# Allegro board S071AA-0413-20260427.brd (continued)
## Nets (continued)
UT4_UW08: UTL4.A07
UT4_UW09: UTL4.B08
UT4_UW10: UTL4.A09
UT4_UW11: UTL4.B10
UT4_UW12: UTL4.A11
UT4_UW13: UTL4.B12
UT4_UW14: UTL4.A13
UT4_UW15: UTL4.B14
N18284685: KB2-4.1(TP) KS2.4
N18284703: LDB2.1(A) LRB2.2
N18284711: KB2-3.1(TP) KS2.3
N18284713: KB2-6.1(TP) KS2.6
N18284719: KB2-7.1(TP) KS2.7
N18284723: LDB3.1(A) LRB3.2
N18284731: KB1-4.1(TP) KS1.4
N18284735: KB1-3.1(TP) KS1.3
N18284737: KB1-6.1(TP) KS1.6
N18284739: KB1-7.1(TP) KS1.7
N18284747: KB1-2.1(TP) KS1.2
N18284749: KB1-8.1(TP) KS1.8
N18284751: KB2-2.1(TP) KS2.2
N18284753: KB2-8.1(TP) KS2.8
N18285026: LDB4.1(A) LRB4.2
N18285036: LDB5.1(A) LRB5.2
N18285067: KB4-4.1(TP) KS4.4
N18285069: KB4-5.1(TP) KS4.5
N18285071: KB4-8.1(TP) KS4.8
N18285089: KB3-8.1(TP) KS3.8
N18285091: KB3-4.1(TP) KS3.4
N18285093: KB3-5.1(TP) KS3.5
N18285182: LDB1.1(A) LRB1.1
N22954976: LD15.1(A) R15.1
N22955016: LD16.1(A) R16.1
N22955678: LD1.1(A) R1.1
N22955710: LD2.1(A) R2.1
N22955758: LD3.1(A) R3.1
N22955802: LD4.1(A) R4.1
N22955842: LD5.1(A) R5.1
N22955878: LD6.1(A) R6.1
N22955926: LD7.1(A) R7.1
N22955970: LD8.1(A) R8.1
N22956024: LD9.1(A) R9.1
N22956064: LD10.1(A) R10.1
N22956104: LD11.1(A) R11.1
N22956144: LD12.1(A) R12.1
N22956184: LD13.1(A) R13.1
N22956224: LD14.1(A) R14.1
N22963164: LD19.1(A) R19.1
N22963523: LD20.1(A) R20.1
N22963871: LD21.1(A) R21.1
N22964216: LD22.1(A) R22.1
N22964605: LD23.1(A) R23.1
N22964637: LD24.1(A) R24.1
N22965490: LD17.1(A) R17.1
N22965526: LD18.1(A) R18.1
N22974884: LD25.1(A) R25.1
N22974900: LD26.1(A) R26.1
N22974958: LD29.1(A) R29.1
N22975006: LD27.1(A) R27.1
N22975038: LD28.1(A) R28.1
N22975098: LD30.1(A) R30.1
N22976209: LD31.1(A) R31.1
N22976245: LD32.1(A) R32.1
N22984719: LD33.1(A) R33.1
N22984755: LD34.1(A) R34.1
N22984791: LD35.1(A) R35.1
N22984831: LD36.1(A) R36.1
N22984875: LD37.1(A) R37.1
N22984899: LD38.1(A) R38.1
N22984935: LD39.1(A) R39.1
N22984991: LD40.1(A) R40.1
N22985097: LD41.1(A) R41.1
N22985125: LD42.1(A) R42.1
N22988922: LD43.1(A) R43.1
N22989162: LD44.1(A) R44.1
N23040624: LD45.1(A) R45.1
N23040666: K45.4 OSC1.3(OUT)
N23043619: R123.1 R124.1 SH3.2
N23043647: R127.1 R128.1 SH4.2
N23050554: LD46.1(A) R46.1
N23057413: R129.1 R130.1 SH5.2
N23057441: R133.1 R134.1 SH6.2
N23058541: R135.1 R136.1 SH7.2
N23058569: R139.1 R140.1 SH8.2
N23059275: R141.1 R142.1 SH9.2
N23059303: R145.1 R146.1 SH10.2
N23060072: R147.1 R148.1 SH11.2
N23060100: R151.1 R152.1 SH12.2
N23060930: R153.1 R154.1 SH13.2
N23060958: R157.1 R158.1 SH14.2
N23062789: R159.1 R160.1 SH15.2
N23062817: R163.1 R164.1 SH16.2

Pads without a net: BGA289-12X12-P0.65 1; CSDPS225 A17 B17 C17 D17; CSDPS226 A17 D17; CSDPS229 A17 B17 C17 D17; CSDPS425 A17 B17 C17 D17; CSDPS426 A17 D17; CSDPS429 A17 B17 C17 D17; D101 17 A17 B17; D102 17 A17 B17; D103 17 A17 B17; D104 17 A17 B17; D105 17 A17 B17; D106 17 A17 B17; D107 17 A17 B17; D108 17 A17 B17; D109 17 A17 B17; D110 17 A17 B17; D111 17 A17 B17; D112 17 A17 B17; D113 17 A17 B17; D114 17 A17 B17; D115 17 A17 B17; D116 17 A17 B17; D117 17 A17 B17; D118 17 A17 B17; D119 17 A17 B17; D120 17 A17 B17; D121 17 A17 B17; D122 17 A17 B17; D123 17 A17 B17; D124 17 A17 B17; D227 01 02 03 05 06 07 08 09 10 11 12 13 14 15 16 17; D228 01 02 03 05 06 07 08 09 10 11 12 13 14 15 16 17; D301 01 02 03 04 05 06 07 08 09 10 11 12 13 14 15 16 17 A1 A2 A3 A4 A5 A6 A7 A8 A9 A10 A11 A12 A13 A14 A15 A16 A17 B1 B2 B3 B4 B5 B6 B7 B8 B9 B10 B11 B12 B13 B14 B15 B16 B17; D302 01 02 03 04 05 06 07 08 09 10 11 12 13 14 15 16 17 A1 A2 A3 A4 A5 A6 A7 A8 A9 A10 A11 A12 A13 A14 A15 A16 A17 B1 B2 B3 B4 B5 B6 B7 B8 B9 B10 B11 B12 B13 B14 B15 B16 B17; D303 01 02 03 04 05 06 07 08 09 10 11 12 13 14 15 16 17 A1 A2 A3 A4 A5 A6 A7 A8 A9 A10 A11 A12 A13 A14 A15 A16 A17 B1 B2 B3 B4 B5 B6 B7 B8 B9 B10 B11 B12 B13 B14 B15 B16 B17; D304 01 02 03 04 05 06 07 08 09 10 11 12 13 14 15 16 17 A1 A2 A3 A4 A5 A6 A7 A8 A9 A10 A11 A12 A13 A14 A15 A16 A17 B1 B2 B3 B4 B5 B6 B7 B8 B9 B10 B11 B12 B13 B14 B15 B16 B17; D305 01 02 03 04 05 06 07 08 09 10 11 12 13 14 15 16 17 A1 A2 A3 A4 A5 A6 A7 A8 A9 A10 A11 A12 A13 A14 A15 A16 A17 B1 B2 B3 B4 B5 B6 B7 B8 B9 B10 B11 B12 B13 B14 B15 B16 B17; D306 01 02 03 04 05 06 07 08 09 10 11 12 13 14 15 16 17 A1 A2 A3 A4 A5 A6 A7 A8 A9 A10 A11 A12 A13 A14 A15 A16 A17 B1 B2 B3 B4 B5 B6 B7 B8 B9 B10 B11 B12 B13 B14 B15 B16 B17; D307 01 02 03 04 05 06 07 08 09 10 11 12 13 14 15 16 17 A1 A2 A3 A4 A5 A6 A7 A8 A9 A10 A11 A12 A13 A14 A15 A16 A17 B1 B2 B3 B4 B5 B6 B7 B8 B9 B10 B11 B12 B13 B14 B15 B16 B17; D308 01 02 03 04 05 06 07 08 09 10 11 12 13 14 15 16 17 A1 A2 A3 A4 A5 A6 A7 A8 A9 A10 A11 A12 A13 A14 A15 A16 A17 B1 B2 B3 B4 B5 B6 B7 B8 B9 B10 B11 B12 B13 B14 B15 B16 B17; D309 01 02 03 04 05 06 07 08 09 10 11 12 13 14 15 16 17 A1 A2 A3 A4 A5 A6 A7 A8 A9 A10 A11 A12 A13 A14 A15 A16 A17 B1 B2 B3 B4 B5 B6 B7 B8 B9 B10 B11 B12 B13 B14 B15 B16 B17; D310 01 02 03 04 05 06 07 08 09 10 11 12 13 14 15 16 17 A1 A2 A3 A4 A5 A6 A7 A8 A9 A10 A11 A12 A13 A14 A15 A16 A17 B1 B2 B3 B4 B5 B6 B7 B8 B9 B10 B11 B12 B13 B14 B15 B16 B17; D311 01 02 03 04 05 06 07 08 09 10 11 12 13 14 15 16 17 A1 A2 A3 A4 A5 A6 A7 A8 A9 A10 A11 A12 A13 A14 A15 A16 A17 B1 B2 B3 B4 B5 B6 B7 B8 B9 B10 B11 B12 B13 B14 B15 B16 B17; D312 01 02 03 04 05 06 07 08 09 10 11 12 13 14 15 16 17 A1 A2 A3 A4 A5 A6 A7 A8 A9 A10 A11 A12 A13 A14 A15 A16 A17 B1 B2 B3 B4 B5 B6 B7 B8 B9 B10 B11 B12 B13 B14 B15 B16 B17; D313 01 02 03 04 05 06 07 08 09 10 11 12 13 14 15 16 17 A1 A2 A3 A4 A5 A6 A7 A8 A9 A10 A11 A12 A13 A14 A15 A16 A17 B1 B2 B3 B4 B5 B6 B7 B8 B9 B10 B11 B12 B13 B14 B15 B16 B17; D314 01 02 03 04 05 06 07 08 09 10 11 12 13 14 15 16 17 A1 A2 A3 A4 A5 A6 A7 A8 A9 A10 A11 A12 A13 A14 A15 A16 A17 B1 B2 B3 B4 B5 B6 B7 B8 B9 B10 B11 B12 B13 B14 B15 B16 B17; D315 01 02 03 04 05 06 07 08 09 10 11 12 13 14 15 16 17 A1 A2 A3 A4 A5 A6 A7 A8 A9 A10 A11 A12 A13 A14 A15 A16 A17 B1 B2 B3 B4 B5 B6 B7 B8 B9 B10 B11 B12 B13 B14 B15 B16 B17; D316 01 02 03 04 05 06 07 08 09 10 11 12 13 14 15 16 17 A1 A2 A3 A4 A5 A6 A7 A8 A9 A10 A11 A12 A13 A14 A15 A16 A17 B1 B2 B3 B4 B5 B6 B7 B8 B9 B10 B11 B12 B13 B14 B15 B16 B17; D317 01 02 03 04 05 06 07 08 09 10 11 12 13 14 15 16 17 A1 A2 A3 A4 A5 A6 A7 A8 A9 A10 A11 A12 A13 A14 A15 A16 A17 B1 B2 B3 B4 B5 B6 B7 B8 B9 B10 B11 B12 B13 B14 B15 B16 B17; D318 01 02 03 04 05 06 07 08 09 10 11 12 13 14 15 16 17 A1 A2 A3 A4 A5 A6 A7 A8 A9 A10 A11 A12 A13 A14 A15 A16 A17 B1 B2 B3 B4 B5 B6 B7 B8 B9 B10 B11 B12 B13 B14 B15 B16 B17; D319 01 02 03 04 05 06 07 08 09 10 11 12 13 14 15 16 17 A1 A2 A3 A4 A5 A6 A7 A8 A9 A10 A11 A12 A13 A14 A15 A16 A17 B1 B2 B3 B4 B5 B6 B7 B8 B9 B10 B11 B12 B13 B14 B15 B16 B17; D320 01 02 03 04 05 06 07 08 09 10 11 12 13 14 15 16 17 A1 A2 A3 A4 A5 A6 A7 A8 A9 A10 A11 A12 A13 A14 A15 A16 A17 B1 B2 B3 B4 B5 B6 B7 B8 B9 B10 B11 B12 B13 B14 B15 B16 B17; D321 01 02 03 04 05 06 07 08 09 10 11 12 13 14 15 16 17 A1 A2 A3 A4 A5 A6 A7 A8 A9 A10 A11 A12 A13 A14 A15 A16 A17 B1 B2 B3 B4 B5 B6 B7 B8 B9 B10 B11 B12 B13 B14 B15 B16 B17; D322 01 02 03 04 05 06 07 08 09 10 11 12 13 14 15 16 17 A1 A2 A3 A4 A5 A6 A7 A8 A9 A10 A11 A12 A13 A14 A15 A16 A17 B1 B2 B3 B4 B5 B6 B7 B8 B9 B10 B11 B12 B13 B14 B15 B16 B17; D323 01 02 03 04 05 06 07 08 09 10 11 12 13 14 15 16 17 A1 A2 A3 A4 A5 A6 A7 A8 A9 A10 A11 A12 A13 A14 A15 A16 A17 B1 B2 B3 B4 B5 B6 B7 B8 B9 B10 B11 B12 B13 B14 B15 B16 B17; D324 01 02 03 04 05 06 07 08 09 10 11 12 13 14 15 16 17 A1 A2 A3 A4 A5 A6 A7 A8 A9 A10 A11 A12 A13 A14 A15 A16 A17 B1 B2 B3 B4 B5 B6 B7 B8 B9 B10 B11 B12 B13 B14 B15 B16 B17; D427 01 02 03 04 05 06 07 08 09 10 11 12 13 14 15 16 17; D428 01 02 03 04 05 06 07 08 09 10 11 12 13 14 15 16 17; DPS1 A04 A08 A10 A14 B04 B08 B10 B14 C04 C08 C10 C14; DPS2 A04 A08 A10 A14 B04 B08 B10 B14 C04 C08 C10 C14; DPS3 A04 A08 A10 A14 B04 B08 B10 B14 C04 C08 C10 C14; DPS8 A04 A08 A10 A14 B04 B08 B10 B14 C04 C08 C10 C14; FD1 1; FD2 1; FD3 1; FD4 1; FD5 1; FD6 1; FD7 1; FD8 1; FD9 1; FD10 1; FD11 1; FD12 1; FD13 1; FD14 1; FD15 1; FD16 1; FSS0AS071A 1; JG-250905AA011 1; K1 2; K2 2; K3 2; K4 2; K5 2; K6 2; K7 2; K8 2; K9 2; K10 2; K11 2; K12 2; K13 2; K14 2; K15 2; K16 2; K17 2; K18 2; K19 2; K20 2; K21 2; K22 2; K23 2; K24 2; K25 2; K26 2; K27 2; K28 2; K29 2; K30 2; K31 2; K32 2; K33 2; K34 2; K35 2; K36 2; K37 2; K38 2; K39 2; K40 2; K41 2; K42 2; K43 2; K44 2; K45 5 6 7; K46 2 7; KS3 2; KS4 2; LOGO1 1; LOGO2 1; M5 1; OSC1 1; SCREW1 NUT19 NUT20 NUT21 NUT22; SITE1 NUT1 NUT2 NUT3 NUT4 NUT5 NUT6 NUT7 NUT8; UNK038FY-S135BB14Q-A100 1; UNK980FY-S071AA-1AH 1; UTL1 A17 B17; UTL2 A17 B17; UTL3 A17 B17; UTL4 A17 B17

## Via types
v1: diameter 0.61, hole 0.305, TOP to BOTTOM, 1094 vias
v2: diameter 0.305, hole 0.152, TOP to BOTTOM, 358 vias

## Routing (per net, layer and track width the routed paths; a pad name or vN(x,y) marks a point on that pad's centre or on a via; arc(x,y) is an arc through that point)
AGND: length 94144
  TOP w0.152: CSDPS225.C11 105.48,330.2 ; CSDPS225.C11 104.41,329.13 ; CSDPS225.C11 104.41,331.27 ; CSDPS225.C11 103.34,330.2 ; 177,391.16 D116.B11 ; D116.B11 178.07,392.23 ; D116.B11 178.07,390.09 ; D116.B11 179.14,391.16 ; D120.A13 45.99,34.09 ; D120.A13 44.92,33.02 ; D120.A13 47.06,33.02 ; D120.A13 45.99,31.95 ; 42.38,393.7 D232.A6 ; D232.A6 43.45,392.63 ; D232.A6 43.45,394.77 ; D232.A6 44.52,393.7 ; UHC230.G4_2 17.69,355.29 ; UHC230.G4_2 16.88,356.1 ; UHC230.G4_2 16.07,355.29 ; UHC230.G4_2 16.88,354.48 ; D113.B7 189.3,330.2 ; D113.B7 187.16,330.2 ; D113.B7 188.23,329.13 ; D113.B7 188.23,331.27 ; D115.A9 184.22,375.92 ; D115.A9 183.15,376.99 ; D115.A9 183.15,374.85 ; D115.A9 182.08,375.92 ; 16.98,55.88 D119.A2 ; D119.A2 18.05,56.95 ; D119.A2 18.05,54.81 ; D119.A2 19.12,55.88 ; D428.B15 95.32,401.32 ; D428.B15 94.25,402.39 ; D428.B15 93.18,401.32 ; D428.B15 94.25,400.25 ; 14.58,364.64 UHC430.G1_3 ; UHC430.G1_3 13.77,365.45 ; UHC430.G1_3 14.58,366.26 ; UHC430.G1_3 15.39,365.45 ; CSDPS226.B10 106.95,354.13 ; CSDPS226.B10 105.88,353.06 ; CSDPS226.B10 108.02,353.06 ; CSDPS226.B10 106.95,351.99 ; KS4.7 41.77,156.72 ; KS4.7 40.66,157.84 ; KS4.7 40.66,155.6 ; KS4.7 39.54,156.72 ; 258.28,347.98 D110.B8 ; D110.B8 259.35,346.91 ; D110.B8 260.42,347.98 ; D110.B8 259.35,349.05 ; 253.2,96.52 D105.A8 ; D105.A8 254.27,95.45 ; D105.A8 255.34,96.52 ; D105.A8 254.27,97.59 ; D228.B17 89.17,392.23 ; D228.B17 88.1,391.16 ; D228.B17 90.24,391.16 ; D228.B17 89.17,390.09 ; 88.1,33.02 D124.A1 ; D124.A1 89.17,31.95 ; D124.A1 89.17,34.09 ; D124.A1 90.24,33.02 ; 200.93,59.89 D103.B16 ; D103.B16 199.86,60.96 ; D103.B16 202,60.96 ; D103.B16 200.93,62.03 ; D107.A10 259.35,56.95 ; D107.A10 259.35,54.81 ; D107.A10 258.28,55.88 ; D107.A10 260.42,55.88 ; 183.15,37.03 D104.B9 ; D104.B9 182.08,38.1 ; D104.B9 184.22,38.1 ; D104.B9 183.15,39.17 ; CSDPS225.C1 129.81,331.27 ; CSDPS225.C1 128.74,330.2 ; CSDPS225.C1 130.88,330.2 ; CSDPS225.C1 129.81,329.13 ; D102.A15 198.39,74.73 ; D102.A15 199.46,73.66 ; D102.A15 197.32,73.66 ; D102.A15 198.39,72.59 ; D120.B6 28.21,41.71 ; D120.B6 27.14,40.64 ; D120.B6 29.28,40.64 ; D120.B6 28.21,39.57 ; D112.A12 250.26,393.7 ; D112.A12 249.19,392.63 ; D112.A12 249.19,394.77 ; D112.A12 248.12,393.7 ; D117.A8 34.36,96.52 ; D117.A8 33.29,97.59 ; D117.A8 33.29,95.45 ; D117.A8 32.22,96.52 ; 109.49,390.09 D228.B9 ; D228.B9 109.49,392.23 ; D228.B9 108.42,391.16 ; D228.B9 110.56,391.16 ; D114.A6 191.84,353.06 ; D114.A6 190.77,351.99 ; D114.A6 190.77,354.13 ; D114.A6 189.7,353.06 ; 16.98,373.38 D231.A16 ; D231.A16 19.12,373.38 ; D231.A16 18.05,372.31 ; D231.A16 18.05,374.45 ; D231.A7 40.91,376.99 ; D231.A7 39.84,375.92 ; D231.A7 41.98,375.92 ; D231.A7 40.91,374.85 ; 39.84,78.74 D118.B11 ; D118.B11 41.98,78.74 ; D118.B11 40.91,77.67 ; D118.B11 40.91,79.81 ; 117.11,80.21 D122.B12 ; D122.B12 117.11,82.35 ; D122.B12 116.04,81.28 ; D122.B12 118.18,81.28 ; D102.B14 196.92,81.28 ; D102.B14 194.78,81.28 ; D102.B14 195.85,80.21 ; D102.B14 195.85,82.35 ; D228.A1 130.88,396.24 ; D228.A1 128.74,396.24 ; D228.A1 129.81,395.17 ; D228.A1 129.81,397.31 ; D113.B3 198.39,331.27 ; D113.B3 198.39,329.13 ; D113.B3 197.32,330.2 ; D113.B3 199.46,330.2 ; D112.B3 273.12,391.16 ; D112.B3 270.98,391.16 ; D112.B3 272.05,390.09 ; D112.B3 272.05,392.23 ; D120.A15 52.14,33.02 ; D120.A15 51.07,31.95 ; D120.A15 51.07,34.09 ; D120.A15 50,33.02 ; D103.A7 178.07,54.41 ; D103.A7 179.14,53.34 ; D103.A7 178.07,52.27 ; D103.A7 177,53.34 ; 23.13,397.71 D432.B14 ; D432.B14 22.06,398.78 ; D432.B14 23.13,399.85 ; D432.B14 24.2,398.78 ; 18.05,59.89 D119.B2 ; D119.B2 16.98,60.96 ; D119.B2 18.05,62.03 ; D119.B2 19.12,60.96 ; 192.24,391.16 D116.B5 ; D116.B5 194.38,391.16 ; D116.B5 193.31,392.23 ; D116.B5 193.31,390.09 ; UHC430.G2_1 48.98,366.26 ; UHC430.G2_1 48.98,364.64 ; UHC430.G2_1 49.79,365.45 ; UHC430.G2_1 48.17,365.45 ; D428.A8 112.03,404.93 ; D428.A8 110.96,403.86 ; D428.A8 113.1,403.86 ; D428.A8 112.03,402.79 ; 19.52,396.24 D232.A15 ; D232.A15 21.66,396.24 ; D232.A15 20.59,395.17 ; D232.A15 20.59,397.31 ; D102.B7 179.14,78.74 ; D102.B7 177,78.74 ; D102.B7 178.07,79.81 ; D102.B7 178.07,77.67 ; D104.B6 176.6,40.64 ; D104.B6 175.53,39.57 ; D104.B6 175.53,41.71 ; D104.B6 174.46,40.64 ; 119.65,52.27 D123.A13 ; D123.A13 118.58,53.34 ; D123.A13 119.65,54.41 ; D123.A13 120.72,53.34 ; D103.A2 165.37,56.95 ; D103.A2 165.37,54.81 ; D103.A2 164.3,55.88 ; D103.A2 166.44,55.88 ; D427.A17 90.24,386.08 ; D427.A17 89.17,385.01 ; D427.A17 88.1,386.08 ; D427.A17 89.17,387.15 ; D432.B16 18.05,399.85 ; D432.B16 19.12,398.78 ; D432.B16 18.05,397.71 ; D432.B16 16.98,398.78 ; D101.B12 191.84,101.6 ; D101.B12 189.7,101.6 ; D101.B12 190.77,100.53 ; D101.B12 190.77,102.67 ; 44.92,391.16 D232.B5 ; D232.B5 47.06,391.16 ; D232.B5 45.99,390.09 ; D232.B5 45.99,392.23 ; D124.B10 113.1,40.64 ; D124.B10 112.03,39.57 ; D124.B10 112.03,41.71 ; D124.B10 110.96,40.64 ; D105.A5 246.65,95.05 ; D105.A5 246.65,92.91 ; D105.A5 247.72,93.98 ; D105.A5 245.58,93.98 ; D104.A15 199.46,33.02 ; D104.A15 197.32,33.02 ; D104.A15 198.39,31.95 ; D104.A15 198.39,34.09 ; D231.A2 53.61,374.45 ; D231.A2 54.68,373.38 ; D231.A2 53.61,372.31 ; D231.A2 52.54,373.38 ; 109.49,57.35 D123.B9 ; D123.B9 109.49,59.49 ; D123.B9 110.56,58.42 ; D123.B9 108.42,58.42 ; 24.6,78.74 D118.B5 ; D118.B5 25.67,79.81 ; D118.B5 25.67,77.67 ; D118.B5 26.74,78.74 ; 116.04,398.78 D428.B6 ; D428.B6 117.11,397.71 ; D428.B6 118.18,398.78 ; D428.B6 117.11,399.85 ; D108.B15 273.12,38.1 ; D108.B15 272.05,39.17 ; D108.B15 272.05,37.03 ; D108.B15 270.98,38.1 ; 98.26,391.16 D228.B13 ; D228.B13 99.33,392.23 ; D228.B13 99.33,390.09 ; D228.B13 100.4,391.16 ; KS3.7 40.66,150.22 ; KS3.7 40.66,147.98 ; KS3.7 41.77,149.1 ; KS3.7 39.54,149.1 ; 103.34,99.06 D121.B7 ; D121.B7 104.41,100.13 ; D121.B7 105.48,99.06 ; D121.B7 104.41,97.99 ; D112.A14 245.18,393.7 ; D112.A14 244.11,394.77 ; D112.A14 244.11,392.63 ; D112.A14 243.04,393.7 ; 198.39,354.53 D114.A3 ; D114.A3 197.32,355.6 ; D114.A3 198.39,356.67 ; D114.A3 199.46,355.6 ; D227.B13 100.4,370.84 ; D227.B13 98.26,370.84 ; D227.B13 99.33,369.77 ; D227.B13 99.33,371.91 ; 100.8,378.46 D427.B12 ; D427.B12 101.87,377.39 ; D427.B12 102.94,378.46 ; D427.B12 101.87,379.53 ; 113.5,13.97 DPS3.A11 ; DPS3.A11 114.57,15.04 ; DPS3.A11 114.57,12.5 113.9,11.83 SB14.1 ; DPS3.A11 115.64,13.97 ; UHC230.G3_6 48.98,352.6 ; UHC230.G3_6 48.98,350.98 ; UHC230.G3_6 49.79,351.79 ; UHC230.G3_6 48.17,351.79 ; 251.73,369.77 D111.B11 ; D111.B11 252.8,370.84 ; D111.B11 251.73,371.91 ; D111.B11 250.66,370.84 ; CSDPS429.C1 57.22,340.36 ; CSDPS429.C1 55.08,340.36 ; CSDPS429.C1 56.15,341.43 ; CSDPS429.C1 56.15,339.29 ; D124.B15 124.73,39.17 ; D124.B15 124.73,37.03 ; D124.B15 123.66,38.1 ; D124.B15 125.8,38.1 ; D117.B6 28.21,102.67 ; D117.B6 28.21,100.53 ; D117.B6 29.28,101.6 ; D117.B6 27.14,101.6 ; D432.B15 20.59,402.39 ; D432.B15 20.59,400.25 ; D432.B15 21.66,401.32 ; D432.B15 19.52,401.32 ; D118.B4 23.13,82.35 ; D118.B4 24.2,81.28 ; D118.B4 23.13,80.21 ; D118.B4 22.06,81.28 ; 177,355.6 D114.A11 ; D114.A11 178.07,354.53 ; D114.A11 178.07,356.67 ; D114.A11 179.14,355.6 ; D122.B16 128.34,81.28 ; D122.B16 127.27,80.21 ; D122.B16 126.2,81.28 ; D122.B16 127.27,82.35 ; UHC430.G2_9 48.64,360.2 ; UHC430.G2_9 47.02,360.2 ; UHC430.G2_9 47.83,361.01 ; UHC430.G2_9 47.83,359.39 ; 50,370.84 D231.B3 ; D231.B3 51.07,371.91 ; D231.B3 52.14,370.84 ; D231.B3 51.07,369.77 ; D432.A12 28.21,404.93 ; D432.A12 27.14,403.86 ; D432.A12 29.28,403.86 ; D432.A12 28.21,402.79 ; D114.B6 190.77,349.05 ; D114.B6 190.77,346.91 ; D114.B6 191.84,347.98 ; D114.B6 189.7,347.98 ; 185.69,59.89 D103.B10 ; D103.B10 186.76,60.96 ; D103.B10 184.62,60.96 ; D103.B10 185.69,62.03 ; 35.83,405.33 D432.A9 ; D432.A9 36.9,406.4 ; D432.A9 34.76,406.4 ; D432.A9 35.83,407.47 ; 126.2,101.6 D121.B16 ; D121.B16 127.27,100.53 ; D121.B16 127.27,102.67 ; D121.B16 128.34,101.6 ; D114.A2 200.93,354.13 ; D114.A2 200.93,351.99 ; D114.A2 199.86,353.06 ; D114.A2 202,353.06 ; 264.43,75.13 D106.A12 ; D106.A12 265.5,76.2 ; D106.A12 263.36,76.2 ; D106.A12 264.43,77.27 ; 118.58,58.42 D123.B13 ; D123.B13 119.65,59.49 ; D123.B13 120.72,58.42 ; D123.B13 119.65,57.35 ; D108.A14 270.58,35.56 ; D108.A14 268.44,35.56 ; D108.A14 269.51,36.63 ; D108.A14 269.51,34.49 ; 189.7,96.52 D101.A12 ; D101.A12 191.84,96.52 ; D101.A12 190.77,95.45 ; D101.A12 190.77,97.59 ; 44.92,375.92 D231.A5 ; D231.A5 47.06,375.92 ; D231.A5 45.99,374.85 ; D231.A5 45.99,376.99 ; D110.B5 268.04,350.52 ; D110.B5 266.97,351.59 ; D110.B5 266.97,349.45 ; D110.B5 265.9,350.52 ; CSDPS426.C15 95.32,360.68 ; CSDPS426.C15 94.25,361.75 ; CSDPS426.C15 94.25,359.61 ; CSDPS426.C15 93.18,360.68 ; D110.A9 256.81,356.67 ; D110.A9 255.74,355.6 ; D110.A9 256.81,354.53 ; D110.A9 257.88,355.6 ; D115.A14 170.45,374.45 ; D115.A14 169.38,373.38 ; D115.A14 171.52,373.38 ; D115.A14 170.45,372.31 ; D228.B7 114.57,392.23 ; D228.B7 113.5,391.16 ; D228.B7 115.64,391.16 ; D228.B7 114.57,390.09 ; 24.6,33.02 D120.A5 ; D120.A5 26.74,33.02 ; D120.A5 25.67,31.95 ; D120.A5 25.67,34.09 ; D108.B4 245.18,40.64 ; D108.B4 244.11,39.57 ; D108.B4 244.11,41.71 ; D108.B4 243.04,40.64 ; D103.A11 189.3,53.34 ; D103.A11 188.23,52.27 ; D103.A11 187.16,53.34 ; D103.A11 188.23,54.41 ; 50,396.24 D232.A3 ; D232.A3 51.07,395.17 ; D232.A3 51.07,397.31 ; D232.A3 52.14,396.24 ; D114.B2 200.93,349.05 ; D114.B2 200.93,346.91 ; D114.B2 202,347.98 ; D114.B2 199.86,347.98 ; CSDPS429.B8 38.37,343.97 ; CSDPS429.B8 37.3,342.9 ; CSDPS429.B8 38.37,341.83 ; CSDPS429.B8 39.44,342.9 ; D109.A13 246.65,336.35 ; D109.A13 245.58,335.28 ; D109.A13 247.72,335.28 ; D109.A13 246.65,334.21 ; D232.B11 31.82,391.16 ; D232.B11 30.75,390.09 ; D232.B11 29.68,391.16 ; D232.B11 30.75,392.23 ; 199.86,35.56 D104.A16 ; D104.A16 200.93,36.63 ; D104.A16 200.93,34.49 ; D104.A16 202,35.56 ; 89.17,77.67 D122.B1 ; D122.B1 89.17,79.81 ; D122.B1 88.1,78.74 ; D122.B1 90.24,78.74 ; D117.A14 49.6,96.52 ; D117.A14 48.53,95.45 ; D117.A14 47.46,96.52 ; D117.A14 48.53,97.59 ; UHC430.G2_8 45.19,361.95 ; UHC430.G2_8 44.38,362.76 ; UHC430.G2_8 43.57,361.95 ; UHC430.G2_8 44.38,361.14 ; UHC230.G3_1 49.79,355.29 ; UHC230.G3_1 48.98,356.1 ; UHC230.G3_1 48.98,354.48 ; UHC230.G3_1 48.17,355.29 ; D428.A13 99.33,407.47 ; D428.A13 99.33,405.33 ; D428.A13 98.26,406.4 ; D428.A13 100.4,406.4 ; 27.14,393.7 D232.A12 ; D232.A12 28.21,392.63 ; D232.A12 29.28,393.7 ; D232.A12 28.21,394.77 ; 106.95,331.67 CSDPS225.B10 ; CSDPS225.B10 108.02,332.74 ; CSDPS225.B10 105.88,332.74 ; CSDPS225.B10 106.95,333.81 ; 243.04,332.74 D109.A14 ; D109.A14 245.18,332.74 ; D109.A14 244.11,333.81 ; D109.A14 244.11,331.67 ; D114.A16 165.37,354.13 ; D114.A16 166.44,353.06 ; D114.A16 164.3,353.06 ; D114.A16 165.37,351.99 ; D107.A7 252.8,53.34 ; D107.A7 250.66,53.34 ; D107.A7 251.73,54.41 ; D107.A7 251.73,52.27 ; 45.87,351.79 UHC230.G3 ; UHC230.G3 46.68,350.98 ; UHC230.G3 47.49,351.79 ; UHC230.G3 46.68,352.6 ; 187.16,73.66 D102.A11 ; D102.A11 188.23,72.59 ; D102.A11 188.23,74.73 ; D102.A11 189.3,73.66 ; D113.B8 185.69,328.73 ; D113.B8 186.76,327.66 ; D113.B8 185.69,326.59 ; D113.B8 184.62,327.66 ; 251.73,57.35 D107.B7 ; D107.B7 251.73,59.49 ; D107.B7 252.8,58.42 ; D107.B7 250.66,58.42 ; 193.31,72.59 D102.A13 ; D102.A13 192.24,73.66 ; D102.A13 193.31,74.73 ; D102.A13 194.38,73.66 ; D231.B14 23.13,369.37 ; D231.B14 23.13,367.23 ; D231.B14 22.06,368.3 ; D231.B14 24.2,368.3 ; 180.61,331.67 D113.A10 ; D113.A10 181.68,332.74 ; D113.A10 179.54,332.74 ; D113.A10 180.61,333.81 ; D114.B14 171.52,347.98 ; D114.B14 170.45,346.91 ; D114.B14 170.45,349.05 ; D114.B14 169.38,347.98 ; D117.A5 25.67,95.05 ; D117.A5 25.67,92.91 ; D117.A5 24.6,93.98 ; D117.A5 26.74,93.98 ; D227.A1 130.88,375.92 ; D227.A1 129.81,376.99 ; D227.A1 128.74,375.92 ; D227.A1 129.81,374.85 ; 266.97,37.03 D108.B13 ; D108.B13 268.04,38.1 ; D108.B13 265.9,38.1 ; D108.B13 266.97,39.17 ; 40.91,37.03 D120.B11 ; D120.B11 41.98,38.1 ; D120.B11 39.84,38.1 ; D120.B11 40.91,39.17 ; CSDPS226.C5 119.65,351.59 ; CSDPS226.C5 119.65,349.45 ; CSDPS226.C5 118.58,350.52 ; CSDPS226.C5 120.72,350.52 ; 100.8,81.28 D122.B6 ; D122.B6 101.87,80.21 ; D122.B6 101.87,82.35 ; D122.B6 102.94,81.28 ; D110.A15 242.64,355.6 ; D110.A15 240.5,355.6 ; D110.A15 241.57,354.53 ; D110.A15 241.57,356.67 ; D105.B9 256.81,100.13 ; D105.B9 256.81,97.99 ; D105.B9 255.74,99.06 ; D105.B9 257.88,99.06 ; CSDPS226.C1 129.81,351.59 ; CSDPS226.C1 129.81,349.45 ; CSDPS226.C1 130.88,350.52 ; CSDPS226.C1 128.74,350.52 ; 89.17,374.85 D227.A17 ; D227.A17 88.1,375.92 ; D227.A17 90.24,375.92 ; D227.A17 89.17,376.99 ; D105.B11 261.89,100.13 ; D105.B11 261.89,97.99 ; D105.B11 262.96,99.06 ; D105.B11 260.82,99.06 ; CSDPS425.C1 129.81,341.43 ; CSDPS425.C1 128.74,340.36 ; CSDPS425.C1 130.88,340.36 ; CSDPS425.C1 129.81,339.29 ; UHC230.G4_6 19.99,351.79 ; UHC230.G4_6 19.18,352.6 ; UHC230.G4_6 19.18,350.98 ; UHC230.G4_6 18.37,351.79 ; D228.B15 95.32,391.16 ; D228.B15 94.25,392.23 ; D228.B15 94.25,390.09 ; D228.B15 93.18,391.16 ; 44.72,353.54 UHC230.G3_5 ; UHC230.G3_5 46.34,353.54 ; UHC230.G3_5 45.53,354.35 ; UHC230.G3_5 45.53,352.73 ; D113.A14 170.45,333.81 ; D113.A14 171.52,332.74 ; D113.A14 169.38,332.74 ; D113.A14 170.45,331.67 ; D116.A2 202,393.7 ; D116.A2 199.86,393.7 ; D116.A2 200.93,394.77 ; D116.A2 200.93,392.63 ; 108.42,99.06 D121.B9 ; D121.B9 109.49,100.13 ; D121.B9 109.49,97.99 ; D121.B9 110.56,99.06 ; 113.5,330.2 CSDPS225.C7 ; CSDPS225.C7 114.57,329.13 ; CSDPS225.C7 114.57,331.27 ; CSDPS225.C7 115.64,330.2 ; 195.85,346.91 D114.B4 ; D114.B4 194.78,347.98 ; D114.B4 196.92,347.98 ; D114.B4 195.85,349.05 ; D432.A1 56.15,407.47 ; D432.A1 56.15,405.33 ; D432.A1 55.08,406.4 ; D432.A1 57.22,406.4 ; D106.B3 241.57,79.81 ; D106.B3 242.64,78.74 ; D106.B3 240.5,78.74 ; D106.B3 241.57,77.67 ; 51.07,400.25 D432.B3 ; D432.B3 51.07,402.39 ; D432.B3 50,401.32 ; D432.B3 52.14,401.32 ; 20.59,385.01 D431.A15 ; D431.A15 21.66,386.08 ; D431.A15 19.52,386.08 ; D431.A15 20.59,387.15 ; D104.B10 186.76,40.64 ; D104.B10 185.69,41.71 ; D104.B10 184.62,40.64 ; D104.B10 185.69,39.57 ; 118.58,381 D427.B5 ; D427.B5 119.65,382.07 ; D427.B5 119.65,379.93 ; D427.B5 120.72,381 ; 42.38,40.64 D120.B12 ; D120.B12 43.45,39.57 ; D120.B12 43.45,41.71 ; D120.B12 44.52,40.64 ; 177,350.52 D114.B11 ; D114.B11 178.07,351.59 ; D114.B11 178.07,349.45 ; D114.B11 179.14,350.52 ; D112.B1 277.13,392.23 ; D112.B1 276.06,391.16 ; D112.B1 277.13,390.09 ; D112.B1 278.2,391.16 ; 126.2,76.2 D122.A16 ; D122.A16 127.27,77.27 ; D122.A16 127.27,75.13 ; D122.A16 128.34,76.2 ; 246.65,390.09 D112.B13 ; D112.B13 245.58,391.16 ; D112.B13 246.65,392.23 ; D112.B13 247.72,391.16 ; D427.A14 97.86,383.54 ; D427.A14 95.72,383.54 ; D427.A14 96.79,382.47 ; D427.A14 96.79,384.61 ; D104.A1 163.9,33.02 ; D104.A1 162.83,34.09 ; D104.A1 161.76,33.02 ; D104.A1 162.83,31.95 ; D105.B13 266.97,100.13 ; D105.B13 265.9,99.06 ; D105.B13 266.97,97.99 ; D105.B13 268.04,99.06 ; 258.28,96.52 D105.A10 ; D105.A10 260.42,96.52 ; D105.A10 259.35,97.59 ; D105.A10 259.35,95.45 ; 35.83,31.95 D120.A9 ; D120.A9 34.76,33.02 ; D120.A9 36.9,33.02 ; D120.A9 35.83,34.09 ; D124.B9 109.49,39.17 ; D124.B9 109.49,37.03 ; D124.B9 108.42,38.1 ; D124.B9 110.56,38.1 ; 193.31,334.21 D113.A5 ; D113.A5 194.38,335.28 ; D113.A5 193.31,336.35 ; D113.A5 192.24,335.28 ; 122.19,367.23 D227.B4 ; D227.B4 121.12,368.3 ; D227.B4 123.26,368.3 ; D227.B4 122.19,369.37 ; D122.A15 124.73,74.73 ; D122.A15 123.66,73.66 ; D122.A15 124.73,72.59 ; D122.A15 125.8,73.66 ; 164.3,347.98 D114.B16 ; D114.B16 165.37,346.91 ; D114.B16 166.44,347.98 ; D114.B16 165.37,349.05 ; 105.88,76.2 D122.A8 ; D122.A8 106.95,77.27 ; D122.A8 106.95,75.13 ; D122.A8 108.02,76.2 ; 104.41,92.91 D121.A7 ; D121.A7 105.48,93.98 ; D121.A7 103.34,93.98 ; D121.A7 104.41,95.05 ; 195.85,331.67 D113.A4 ; D113.A4 196.92,332.74 ; D113.A4 195.85,333.81 ; D113.A4 194.78,332.74 ; DPS2.C15 167.91,411.28 ; DPS2.C15 167.91,409.14 ; DPS2.C15 166.84,410.21 ; DPS2.C15 168.98,410.21 ; 99.33,97.99 D121.B5 ; D121.B5 98.26,99.06 ; D121.B5 100.4,99.06 ; D121.B5 99.33,100.13 ; 93.18,330.2 CSDPS225.C15 ; CSDPS225.C15 94.25,329.13 ; CSDPS225.C15 95.32,330.2 ; CSDPS225.C15 94.25,331.27 ; D431.A14 23.13,384.61 ; D431.A14 22.06,383.54 ; D431.A14 24.2,383.54 ; D431.A14 23.13,382.47 ; 94.25,379.93 D427.B15 ; D427.B15 94.25,382.07 ; D427.B15 95.32,381 ; D427.B15 93.18,381 ; 274.59,80.21 D106.B16 ; D106.B16 273.52,81.28 ; D106.B16 274.59,82.35 ; D106.B16 275.66,81.28 ; 235.42,38.1 D108.B1 ; D108.B1 236.49,37.03 ; D108.B1 236.49,39.17 ; D108.B1 237.56,38.1 ; 245.58,396.24 D112.A13 ; D112.A13 246.65,395.17 ; D112.A13 247.72,396.24 ; D112.A13 246.65,397.31 ; D116.B2 200.93,389.69 ; D116.B2 202,388.62 ; D116.B2 200.93,387.55 ; D116.B2 199.86,388.62 ; D119.A11 40.91,54.41 ; D119.A11 39.84,53.34 ; D119.A11 40.91,52.27 ; D119.A11 41.98,53.34 ; 109.49,31.95 D124.A9 ; D124.A9 108.42,33.02 ; D124.A9 109.49,34.09 ; D124.A9 110.56,33.02 ; 112.03,95.45 D121.A10 ; D121.A10 112.03,97.59 ; D121.A10 113.1,96.52 ; D121.A10 110.96,96.52 ; 20.59,37.03 D120.B3 ; D120.B3 20.59,39.17 ; D120.B3 19.52,38.1 ; D120.B3 21.66,38.1 ; 264.43,372.31 D111.A6 ; D111.A6 264.43,374.45 ; D111.A6 263.36,373.38 ; D111.A6 265.5,373.38 ; 88.1,13.97 DPS3.A01 ; DPS3.A01 90.24,13.97 ; DPS3.A01 89.17,12.9 ; DPS3.A01 89.17,15.04 ; D102.A12 190.77,77.27 ; D102.A12 190.77,75.13 ; D102.A12 191.84,76.2 ; D102.A12 189.7,76.2 ; DPS2.A01 203.47,416.36 ; DPS2.A01 202.4,415.29 ; DPS2.A01 204.54,415.29 ; DPS2.A01 203.47,414.22 ; D109.A8 260.42,332.74 ; D109.A8 259.35,333.81 ; D109.A8 259.35,331.67 ; D109.A8 258.28,332.74 ; D228.B2 128.34,388.62 ; D228.B2 127.27,387.55 ; D228.B2 126.2,388.62 ; D228.B2 127.27,389.69 ; UHC430.G2_11 48.98,359.26 ; UHC430.G2_11 48.17,358.45 ; UHC430.G2_11 48.98,357.64 ; UHC430.G2_11 49.79,358.45 ; D120.B1 15.51,39.17 ; D120.B1 14.44,38.1 ; D120.B1 15.51,37.03 ; D120.B1 16.58,38.1 ; D109.B12 249.19,328.73 ; D109.B12 248.12,327.66 ; D109.B12 250.26,327.66 ; D109.B12 249.19,326.59 ; D108.B6 249.19,41.71 ; D108.B6 250.26,40.64 ; D108.B6 248.12,40.64 ; D108.B6 249.19,39.57 ; 169.38,35.56 D104.A4 ; D104.A4 170.45,34.49 ; D104.A4 170.45,36.63 ; D104.A4 171.52,35.56 ; D106.B7 251.73,79.81 ; D106.B7 251.73,77.67 ; D106.B7 252.8,78.74 ; D106.B7 250.66,78.74 ; D120.B5 26.74,38.1 ; D120.B5 25.67,37.03 ; D120.B5 24.6,38.1 ; D120.B5 25.67,39.17 ; D103.A6 176.6,55.88 ; D103.A6 175.53,56.95 ; D103.A6 174.46,55.88 ; D103.A6 175.53,54.81 ; D231.A12 28.21,374.45 ; D231.A12 27.14,373.38 ; D231.A12 29.28,373.38 ; D231.A12 28.21,372.31 ; 243.04,35.56 D108.A4 ; D108.A4 245.18,35.56 ; D108.A4 244.11,34.49 ; D108.A4 244.11,36.63 ; 20.59,52.27 D119.A3 ; D119.A3 20.59,54.41 ; D119.A3 19.52,53.34 ; D119.A3 21.66,53.34 ; D232.A1 56.15,397.31 ; D232.A1 56.15,395.17 ; D232.A1 55.08,396.24 ; D232.A1 57.22,396.24 ; D109.B15 242.64,330.2 ; D109.B15 241.57,331.27 ; D109.B15 240.5,330.2 ; D109.B15 241.57,329.13 ; 256.81,334.21 D109.A9 ; D109.A9 257.88,335.28 ; D109.A9 255.74,335.28 ; D109.A9 256.81,336.35 ; 235.42,99.06 D105.B1 ; D105.B1 236.49,100.13 ; D105.B1 237.56,99.06 ; D105.B1 236.49,97.99 ; 19.52,33.02 D120.A3 ; D120.A3 20.59,34.09 ; D120.A3 21.66,33.02 ; D120.A3 20.59,31.95 ; D106.A10 260.42,76.2 ; D106.A10 259.35,77.27 ; D106.A10 259.35,75.13 ; D106.A10 258.28,76.2 ; 124.73,374.85 D227.A3 ; D227.A3 123.66,375.92 ; D227.A3 125.8,375.92 ; D227.A3 124.73,376.99 ; 25.67,400.25 D432.B13 ; D432.B13 24.6,401.32 ; D432.B13 25.67,402.39 ; D432.B13 26.74,401.32 ; 265.9,370.84 D111.B5 ; D111.B5 268.04,370.84 ; D111.B5 266.97,371.91 ; D111.B5 266.97,369.77 ; 100.8,353.06 CSDPS226.B12 ; CSDPS226.B12 101.87,354.13 ; CSDPS226.B12 101.87,351.99 ; CSDPS226.B12 102.94,353.06 ; D228.B12 102.94,388.62 ; D228.B12 100.8,388.62 ; D228.B12 101.87,387.55 ; D228.B12 101.87,389.69 ; CSDPS226.B6 118.18,353.06 ; CSDPS226.B6 117.11,354.13 ; CSDPS226.B6 116.04,353.06 ; CSDPS226.B6 117.11,351.99 ; DPS2.C11 179.14,410.21 ; DPS2.C11 178.07,411.28 ; DPS2.C11 178.07,409.14 ; DPS2.C11 177,410.21 ; D232.A7 40.91,397.31 ; D232.A7 41.98,396.24 ; D232.A7 39.84,396.24 ; D232.A7 40.91,395.17 ; 96.79,402.79 D428.A14 ; D428.A14 95.72,403.86 ; D428.A14 96.79,404.93 ; D428.A14 97.86,403.86 ; 52.54,403.86 